# KiCad board main.kicad_pcb (continued)
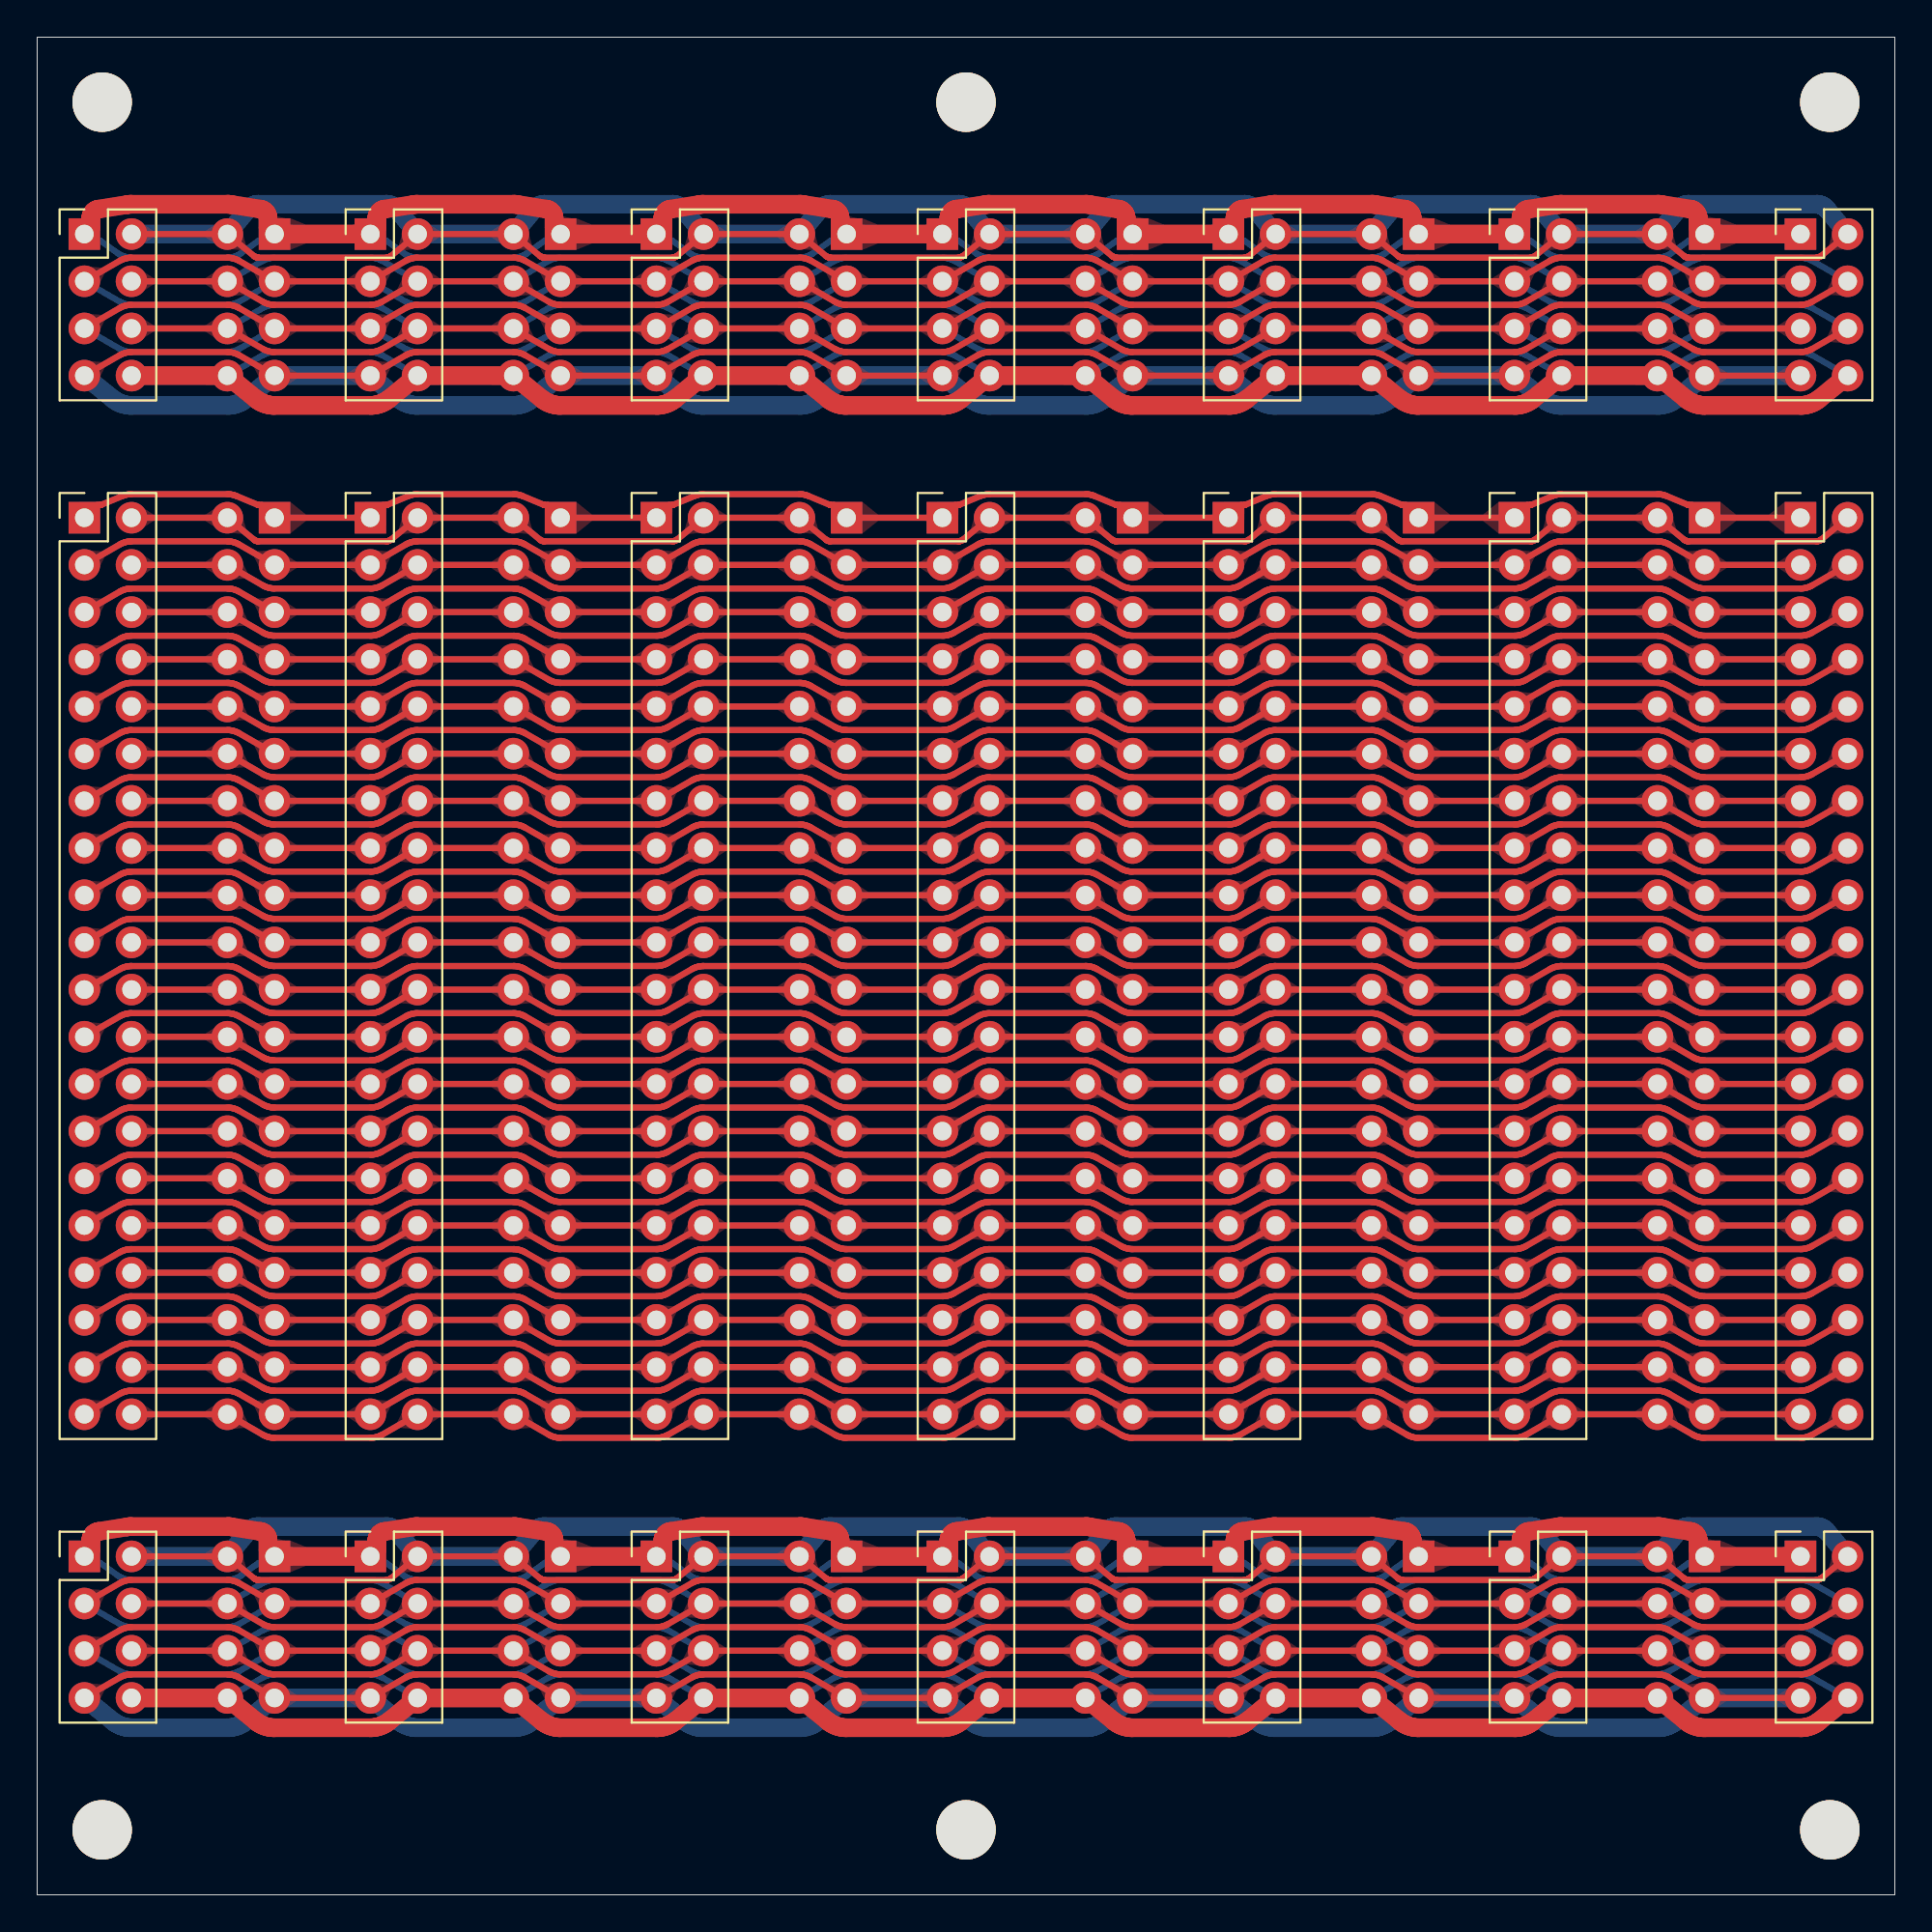
[diagram p0: board, top side]
## Routing (per net, layer and track width the routed paths; a pad name or vN(x,y) marks a point on that pad's centre or on a via; arc(x,y) is an arc through that point) (continued)
~{F_OUT}: length 192.5
  Top w0.33: J29.11 J10.11 87.86,62.53 87.8,62.56 87.75,62.58 87.69,62.61 87.64,62.63 87.58,62.65 87.52,62.66 87.46,62.68 87.4,62.69 87.34,62.69 87.28,62.7 87.22,62.7 82.06,62.7 82,62.7 81.94,62.69 81.88,62.69 81.82,62.68 81.76,62.66 81.71,62.65 81.65,62.63 81.59,62.61 81.54,62.58 81.48,62.56 81.43,62.53 J30.11 J38.11 72.46,62.53 72.41,62.56 72.35,62.58 72.3,62.61 72.24,62.63 72.18,62.65 72.12,62.66 72.07,62.68 72.01,62.69 71.95,62.69 71.89,62.7 71.83,62.7 66.67,62.7 66.61,62.7 66.55,62.69 66.49,62.69 66.43,62.68 66.37,62.66 66.31,62.65 66.25,62.63 66.2,62.61 66.14,62.58 66.09,62.56 66.03,62.53 J25.11 J27.11 57.06,62.53 57.01,62.56 56.96,62.58 56.9,62.61 56.84,62.63 56.79,62.65 56.73,62.66 56.67,62.68 56.61,62.69 56.55,62.69 56.49,62.7 56.43,62.7 51.27,62.7 51.21,62.7 51.15,62.69 51.09,62.69 51.03,62.68 50.97,62.66 50.91,62.65 50.85,62.63 50.8,62.61 50.74,62.58 50.69,62.56 50.64,62.53 J11.11 J28.11 41.67,62.53 41.61,62.56 41.56,62.58 41.5,62.61 41.45,62.63 41.39,62.65 41.33,62.66 41.27,62.68 41.21,62.69 41.15,62.69 41.09,62.7 41.03,62.7 35.87,62.7 35.81,62.7 35.75,62.69 35.69,62.69 35.63,62.68 35.57,62.66 35.52,62.65 35.46,62.63 35.4,62.61 35.35,62.58 35.29,62.56 35.24,62.53 J13.11 J9.11 26.27,62.53 26.22,62.56 26.16,62.58 26.11,62.61 26.05,62.63 25.99,62.65 25.93,62.66 25.88,62.68 25.82,62.69 25.76,62.69 25.7,62.7 25.63,62.7 20.48,62.7 20.42,62.7 20.36,62.69 20.3,62.69 20.24,62.68 20.18,62.66 20.12,62.65 20.06,62.63 20.01,62.61 19.95,62.58 19.9,62.56 19.84,62.53 J12.11 J26.11 10.87,62.53 10.82,62.56 10.77,62.58 10.71,62.61 10.65,62.63 10.6,62.65 10.54,62.66 10.48,62.68 10.42,62.69 10.36,62.69 10.3,62.7 10.24,62.7 5.08,62.7 5.02,62.7 4.96,62.69 4.9,62.69 4.84,62.68 4.78,62.66 4.72,62.65 4.66,62.63 4.61,62.61 4.55,62.58 4.5,62.56 4.45,62.53 J3.11
  Bottom w0.33: J29.11 J10.11 87.86,62.53 87.8,62.56 87.75,62.58 87.69,62.61 87.64,62.63 87.58,62.65 87.52,62.66 87.46,62.68 87.4,62.69 87.34,62.69 87.28,62.7 87.22,62.7 82.06,62.7 82,62.7 81.94,62.69 81.88,62.69 81.82,62.68 81.76,62.66 81.71,62.65 81.65,62.63 81.59,62.61 81.54,62.58 81.48,62.56 81.43,62.53 J30.11 J38.11 72.46,62.53 72.41,62.56 72.35,62.58 72.3,62.61 72.24,62.63 72.18,62.65 72.12,62.66 72.07,62.68 72.01,62.69 71.95,62.69 71.89,62.7 71.83,62.7 66.67,62.7 66.61,62.7 66.55,62.69 66.49,62.69 66.43,62.68 66.37,62.66 66.31,62.65 66.25,62.63 66.2,62.61 66.14,62.58 66.09,62.56 66.03,62.53 J25.11 J27.11 57.06,62.53 57.01,62.56 56.96,62.58 56.9,62.61 56.84,62.63 56.79,62.65 56.73,62.66 56.67,62.68 56.61,62.69 56.55,62.69 56.49,62.7 56.43,62.7 51.27,62.7 51.21,62.7 51.15,62.69 51.09,62.69 51.03,62.68 50.97,62.66 50.91,62.65 50.85,62.63 50.8,62.61 50.74,62.58 50.69,62.56 50.64,62.53 J11.11 J28.11 41.67,62.53 41.61,62.56 41.56,62.58 41.5,62.61 41.45,62.63 41.39,62.65 41.33,62.66 41.27,62.68 41.21,62.69 41.15,62.69 41.09,62.7 41.03,62.7 35.87,62.7 35.81,62.7 35.75,62.69 35.69,62.69 35.63,62.68 35.57,62.66 35.52,62.65 35.46,62.63 35.4,62.61 35.35,62.58 35.29,62.56 35.24,62.53 J13.11 J9.11 26.27,62.53 26.22,62.56 26.16,62.58 26.11,62.61 26.05,62.63 25.99,62.65 25.93,62.66 25.88,62.68 25.82,62.69 25.76,62.69 25.7,62.7 25.63,62.7 20.48,62.7 20.42,62.7 20.36,62.69 20.3,62.69 20.24,62.68 20.18,62.66 20.12,62.65 20.06,62.63 20.01,62.61 19.95,62.58 19.9,62.56 19.84,62.53 J12.11 J26.11 10.87,62.53 10.82,62.56 10.77,62.58 10.71,62.61 10.65,62.63 10.6,62.65 10.54,62.66 10.48,62.68 10.42,62.69 10.36,62.69 10.3,62.7 10.24,62.7 5.08,62.7 5.02,62.7 4.96,62.69 4.9,62.69 4.84,62.68 4.78,62.66 4.72,62.65 4.66,62.63 4.61,62.61 4.55,62.58 4.5,62.56 4.45,62.53 J3.11
~{F_READ}: length 192.5
  Top w0.33: J3.16 J26.16 12.14,55.25 12.2,55.22 12.25,55.2 12.31,55.17 12.36,55.15 12.42,55.13 12.48,55.12 12.54,55.1 12.6,55.09 12.66,55.09 12.72,55.08 12.78,55.08 17.94,55.08 18,55.08 18.06,55.09 18.12,55.09 18.18,55.1 18.24,55.12 18.29,55.13 18.35,55.15 18.41,55.17 18.46,55.2 18.52,55.22 18.57,55.25 J12.16 J9.16 27.54,55.25 27.59,55.22 27.65,55.2 27.7,55.17 27.76,55.15 27.82,55.13 27.88,55.12 27.93,55.1 27.99,55.09 28.05,55.09 28.11,55.08 28.17,55.08 33.33,55.08 33.39,55.08 33.45,55.09 33.51,55.09 33.57,55.1 33.63,55.12 33.69,55.13 33.75,55.15 33.8,55.17 33.86,55.2 33.91,55.22 33.97,55.25 J13.16 J28.16 42.94,55.25 42.99,55.22 43.04,55.2 43.1,55.17 43.16,55.15 43.21,55.13 43.27,55.12 43.33,55.1 43.39,55.09 43.45,55.09 43.51,55.08 43.57,55.08 48.73,55.08 48.79,55.08 48.85,55.09 48.91,55.09 48.97,55.1 49.03,55.12 49.09,55.13 49.15,55.15 49.2,55.17 49.26,55.2 49.31,55.22 49.36,55.25 J11.16 J27.16 58.33,55.25 58.39,55.22 58.44,55.2 58.5,55.17 58.55,55.15 58.61,55.13 58.67,55.12 58.73,55.1 58.79,55.09 58.85,55.09 58.91,55.08 58.97,55.08 64.13,55.08 64.19,55.08 64.25,55.09 64.31,55.09 64.37,55.1 64.43,55.12 64.48,55.13 64.54,55.15 64.6,55.17 64.65,55.2 64.71,55.22 64.76,55.25 J25.16 J38.16 73.73,55.25 73.78,55.22 73.84,55.2 73.89,55.17 73.95,55.15 74.01,55.13 74.07,55.12 74.12,55.1 74.18,55.09 74.24,55.09 74.3,55.08 74.36,55.08 79.52,55.08 79.58,55.08 79.64,55.09 79.7,55.09 79.76,55.1 79.82,55.12 79.88,55.13 79.94,55.15 79.99,55.17 80.05,55.2 80.1,55.22 80.16,55.25 J30.16 J10.16 89.13,55.25 89.18,55.22 89.23,55.2 89.29,55.17 89.35,55.15 89.4,55.13 89.46,55.12 89.52,55.1 89.58,55.09 89.64,55.09 89.7,55.08 89.76,55.08 94.92,55.08 94.98,55.08 95.04,55.09 95.1,55.09 95.16,55.1 95.22,55.12 95.28,55.13 95.34,55.15 95.39,55.17 95.45,55.2 95.5,55.22 95.55,55.25 J29.16
  Bottom w0.33: J3.16 J26.16 12.14,55.25 12.2,55.22 12.25,55.2 12.31,55.17 12.36,55.15 12.42,55.13 12.48,55.12 12.54,55.1 12.6,55.09 12.66,55.09 12.72,55.08 12.78,55.08 17.94,55.08 18,55.08 18.06,55.09 18.12,55.09 18.18,55.1 18.24,55.12 18.29,55.13 18.35,55.15 18.41,55.17 18.46,55.2 18.52,55.22 18.57,55.25 J12.16 J9.16 27.54,55.25 27.59,55.22 27.65,55.2 27.7,55.17 27.76,55.15 27.82,55.13 27.88,55.12 27.93,55.1 27.99,55.09 28.05,55.09 28.11,55.08 28.17,55.08 33.33,55.08 33.39,55.08 33.45,55.09 33.51,55.09 33.57,55.1 33.63,55.12 33.69,55.13 33.75,55.15 33.8,55.17 33.86,55.2 33.91,55.22 33.97,55.25 J13.16 J28.16 42.94,55.25 42.99,55.22 43.04,55.2 43.1,55.17 43.16,55.15 43.21,55.13 43.27,55.12 43.33,55.1 43.39,55.09 43.45,55.09 43.51,55.08 43.57,55.08 48.73,55.08 48.79,55.08 48.85,55.09 48.91,55.09 48.97,55.1 49.03,55.12 49.09,55.13 49.15,55.15 49.2,55.17 49.26,55.2 49.31,55.22 49.36,55.25 J11.16 J27.16 58.33,55.25 58.39,55.22 58.44,55.2 58.5,55.17 58.55,55.15 58.61,55.13 58.67,55.12 58.73,55.1 58.79,55.09 58.85,55.09 58.91,55.08 58.97,55.08 64.13,55.08 64.19,55.08 64.25,55.09 64.31,55.09 64.37,55.1 64.43,55.12 64.48,55.13 64.54,55.15 64.6,55.17 64.65,55.2 64.71,55.22 64.76,55.25 J25.16 J38.16 73.73,55.25 73.78,55.22 73.84,55.2 73.89,55.17 73.95,55.15 74.01,55.13 74.07,55.12 74.12,55.1 74.18,55.09 74.24,55.09 74.3,55.08 74.36,55.08 79.52,55.08 79.58,55.08 79.64,55.09 79.7,55.09 79.76,55.1 79.82,55.12 79.88,55.13 79.94,55.15 79.99,55.17 80.05,55.2 80.1,55.22 80.16,55.25 J30.16 J10.16 89.13,55.25 89.18,55.22 89.23,55.2 89.29,55.17 89.35,55.15 89.4,55.13 89.46,55.12 89.52,55.1 89.58,55.09 89.64,55.09 89.7,55.08 89.76,55.08 94.92,55.08 94.98,55.08 95.04,55.09 95.1,55.09 95.16,55.1 95.22,55.12 95.28,55.13 95.34,55.15 95.39,55.17 95.45,55.2 95.5,55.22 95.55,55.25 J29.16
~{F_SYSRES}: length 194.2
  Top w0.33: J3.1 3.23,74.81 3.39,74.81 3.41,74.82 3.43,74.82 3.45,74.83 4.59,75.3 4.64,75.32 4.7,75.34 4.75,75.36 4.8,75.37 4.86,75.38 4.91,75.39 4.97,75.39 5.02,75.4 5.08,75.4 10.24,75.4 10.29,75.4 10.35,75.39 10.4,75.39 10.46,75.38 10.51,75.37 10.57,75.36 10.62,75.34 10.67,75.32 10.73,75.3 11.86,74.83 11.89,74.82 11.91,74.82 11.93,74.82 12.09,74.81 J26.1 J12.1 18.62,74.81 18.79,74.81 18.81,74.82 18.83,74.82 18.85,74.83 19.99,75.3 20.04,75.32 20.09,75.34 20.15,75.36 20.2,75.37 20.26,75.38 20.31,75.39 20.37,75.39 20.42,75.4 20.48,75.4 25.63,75.4 25.69,75.4 25.75,75.39 25.8,75.39 25.86,75.38 25.91,75.37 25.97,75.36 26.02,75.34 26.07,75.32 26.12,75.3 27.26,74.83 27.28,74.82 27.3,74.82 27.33,74.82 27.49,74.81 J9.1 J13.1 34.02,74.81 34.18,74.81 34.2,74.82 34.23,74.82 34.25,74.83 35.39,75.3 35.44,75.32 35.49,75.34 35.54,75.36 35.6,75.37 35.65,75.38 35.71,75.39 35.76,75.39 35.82,75.4 35.87,75.4 41.03,75.4 41.09,75.4 41.14,75.39 41.2,75.39 41.25,75.38 41.31,75.37 41.36,75.36 41.42,75.34 41.47,75.32 41.52,75.3 42.66,74.83 42.68,74.82 42.7,74.82 42.72,74.82 42.89,74.81 J28.1 J11.1 49.42,74.81 49.58,74.81 49.6,74.82 49.62,74.82 49.64,74.83 50.78,75.3 50.83,75.32 50.89,75.34 50.94,75.36 50.99,75.37 51.05,75.38 51.1,75.39 51.16,75.39 51.21,75.4 51.27,75.4 56.43,75.4 56.48,75.4 56.54,75.39 56.59,75.39 56.65,75.38 56.7,75.37 56.76,75.36 56.81,75.34 56.86,75.32 56.92,75.3 58.05,74.83 58.08,74.82 58.1,74.82 58.12,74.82 58.28,74.81 J27.1 J25.1 64.81,74.81 64.98,74.81 65,74.82 65.02,74.82 65.04,74.83 66.18,75.3 66.23,75.32 66.28,75.34 66.34,75.36 66.39,75.37 66.45,75.38 66.5,75.39 66.56,75.39 66.61,75.4 66.67,75.4 71.83,75.4 71.88,75.4 71.94,75.39 71.99,75.39 72.05,75.38 72.1,75.37 72.16,75.36 72.21,75.34 72.26,75.32 72.31,75.3 73.45,74.83 73.47,74.82 73.49,74.82 73.52,74.82 73.68,74.81 J38.1 J30.1 80.21,74.81 80.37,74.81 80.39,74.82 80.42,74.82 80.44,74.83 81.58,75.3 81.63,75.32 81.68,75.34 81.73,75.36 81.79,75.37 81.84,75.38 81.9,75.39 81.95,75.39 82.01,75.4 82.06,75.4 87.22,75.4 87.28,75.4 87.33,75.39 87.39,75.39 87.44,75.38 87.5,75.37 87.55,75.36 87.61,75.34 87.66,75.32 87.71,75.3 88.85,74.83 88.87,74.82 88.89,74.82 88.91,74.82 89.08,74.81 J10.1 J29.1
  Bottom w0.33: J3.1 3.23,74.81 3.39,74.81 3.41,74.82 3.43,74.82 3.45,74.83 4.59,75.3 4.64,75.32 4.7,75.34 4.75,75.36 4.8,75.37 4.86,75.38 4.91,75.39 4.97,75.39 5.02,75.4 5.08,75.4 10.24,75.4 10.29,75.4 10.35,75.39 10.4,75.39 10.46,75.38 10.51,75.37 10.57,75.36 10.62,75.34 10.67,75.32 10.73,75.3 11.86,74.83 11.89,74.82 11.91,74.82 11.93,74.82 12.09,74.81 J26.1 J12.1 18.62,74.81 18.79,74.81 18.81,74.82 18.83,74.82 18.85,74.83 19.99,75.3 20.04,75.32 20.09,75.34 20.15,75.36 20.2,75.37 20.26,75.38 20.31,75.39 20.37,75.39 20.42,75.4 20.48,75.4 25.63,75.4 25.69,75.4 25.75,75.39 25.8,75.39 25.86,75.38 25.91,75.37 25.97,75.36 26.02,75.34 26.07,75.32 26.12,75.3 27.26,74.83 27.28,74.82 27.3,74.82 27.33,74.82 27.49,74.81 J9.1 J13.1 34.02,74.81 34.18,74.81 34.2,74.82 34.23,74.82 34.25,74.83 35.39,75.3 35.44,75.32 35.49,75.34 35.54,75.36 35.6,75.37 35.65,75.38 35.71,75.39 35.76,75.39 35.82,75.4 35.87,75.4 41.03,75.4 41.09,75.4 41.14,75.39 41.2,75.39 41.25,75.38 41.31,75.37 41.36,75.36 41.42,75.34 41.47,75.32 41.52,75.3 42.66,74.83 42.68,74.82 42.7,74.82 42.72,74.82 42.89,74.81 J28.1 J11.1 49.42,74.81 49.58,74.81 49.6,74.82 49.62,74.82 49.64,74.83 50.78,75.3 50.83,75.32 50.89,75.34 50.94,75.36 50.99,75.37 51.05,75.38 51.1,75.39 51.16,75.39 51.21,75.4 51.27,75.4 56.43,75.4 56.48,75.4 56.54,75.39 56.59,75.39 56.65,75.38 56.7,75.37 56.76,75.36 56.81,75.34 56.86,75.32 56.92,75.3 58.05,74.83 58.08,74.82 58.1,74.82 58.12,74.82 58.28,74.81 J27.1 J25.1 64.81,74.81 64.98,74.81 65,74.82 65.02,74.82 65.04,74.83 66.18,75.3 66.23,75.32 66.28,75.34 66.34,75.36 66.39,75.37 66.45,75.38 66.5,75.39 66.56,75.39 66.61,75.4 66.67,75.4 71.83,75.4 71.88,75.4 71.94,75.39 71.99,75.39 72.05,75.38 72.1,75.37 72.16,75.36 72.21,75.34 72.26,75.32 72.31,75.3 73.45,74.83 73.47,74.82 73.49,74.82 73.52,74.82 73.68,74.81 J38.1 J30.1 80.21,74.81 80.37,74.81 80.39,74.82 80.42,74.82 80.44,74.83 81.58,75.3 81.63,75.32 81.68,75.34 81.73,75.36 81.79,75.37 81.84,75.38 81.9,75.39 81.95,75.39 82.01,75.4 82.06,75.4 87.22,75.4 87.28,75.4 87.33,75.39 87.39,75.39 87.44,75.38 87.5,75.37 87.55,75.36 87.61,75.34 87.66,75.32 87.71,75.3 88.85,74.83 88.87,74.82 88.89,74.82 88.91,74.82 89.08,74.81 J10.1 J29.1
~{F_WAIT}: length 192.5
  Top w0.33: J3.34 J26.34 12.14,32.39 12.2,32.36 12.25,32.34 12.31,32.31 12.36,32.29 12.42,32.27 12.48,32.26 12.54,32.24 12.6,32.23 12.66,32.23 12.72,32.22 12.78,32.22 17.94,32.22 18,32.22 18.06,32.23 18.12,32.23 18.18,32.24 18.24,32.26 18.29,32.27 18.35,32.29 18.41,32.31 18.46,32.34 18.52,32.36 18.57,32.39 J12.34 25.63,33.49 27.54,32.39 27.59,32.36 27.65,32.34 27.7,32.31 27.76,32.29 27.82,32.27 27.88,32.26 27.93,32.24 27.99,32.23 28.05,32.23 28.11,32.22 28.17,32.22 33.33,32.22 33.39,32.22 33.45,32.23 33.51,32.23 33.57,32.24 33.63,32.26 33.69,32.27 33.75,32.29 33.8,32.31 33.86,32.34 33.91,32.36 33.97,32.39 J13.34 J28.34 42.94,32.39 42.99,32.36 43.04,32.34 43.1,32.31 43.16,32.29 43.21,32.27 43.27,32.26 43.33,32.24 43.39,32.23 43.45,32.23 43.51,32.22 43.57,32.22 48.73,32.22 48.79,32.22 48.85,32.23 48.91,32.23 48.97,32.24 49.03,32.26 49.09,32.27 49.15,32.29 49.2,32.31 49.26,32.34 49.31,32.36 49.36,32.39 J11.34 J27.34 58.33,32.39 58.39,32.36 58.44,32.34 58.5,32.31 58.55,32.29 58.61,32.27 58.67,32.26 58.73,32.24 58.79,32.23 58.85,32.23 58.91,32.22 58.97,32.22 64.13,32.22 64.19,32.22 64.25,32.23 64.31,32.23 64.37,32.24 64.43,32.26 64.48,32.27 64.54,32.29 64.6,32.31 64.65,32.34 64.71,32.36 64.76,32.39 J25.34 J38.34 73.73,32.39 73.78,32.36 73.84,32.34 73.89,32.31 73.95,32.29 74.01,32.27 74.07,32.26 74.12,32.24 74.18,32.23 74.24,32.23 74.3,32.22 74.36,32.22 79.52,32.22 79.58,32.22 79.64,32.23 79.7,32.23 79.76,32.24 79.82,32.26 79.88,32.27 79.94,32.29 79.99,32.31 80.05,32.34 80.1,32.36 80.16,32.39 J30.34 J10.34 89.13,32.39 89.18,32.36 89.23,32.34 89.29,32.31 89.35,32.29 89.4,32.27 89.46,32.26 89.52,32.24 89.58,32.23 89.64,32.23 89.7,32.22 89.76,32.22 94.92,32.22 94.98,32.22 95.04,32.23 95.1,32.23 95.16,32.24 95.22,32.26 95.28,32.27 95.34,32.29 95.39,32.31 95.45,32.34 95.5,32.36 95.55,32.39 J29.34
  Bottom w0.33: J3.34 J26.34 12.14,32.39 12.2,32.36 12.25,32.34 12.31,32.31 12.36,32.29 12.42,32.27 12.48,32.26 12.54,32.24 12.6,32.23 12.66,32.23 12.72,32.22 12.78,32.22 17.94,32.22 18,32.22 18.06,32.23 18.12,32.23 18.18,32.24 18.24,32.26 18.29,32.27 18.35,32.29 18.41,32.31 18.46,32.34 18.52,32.36 18.57,32.39 J12.34 25.63,33.49 27.54,32.39 27.59,32.36 27.65,32.34 27.7,32.31 27.76,32.29 27.82,32.27 27.88,32.26 27.93,32.24 27.99,32.23 28.05,32.23 28.11,32.22 28.17,32.22 33.33,32.22 33.39,32.22 33.45,32.23 33.51,32.23 33.57,32.24 33.63,32.26 33.69,32.27 33.75,32.29 33.8,32.31 33.86,32.34 33.91,32.36 33.97,32.39 J13.34 J28.34 42.94,32.39 42.99,32.36 43.04,32.34 43.1,32.31 43.16,32.29 43.21,32.27 43.27,32.26 43.33,32.24 43.39,32.23 43.45,32.23 43.51,32.22 43.57,32.22 48.73,32.22 48.79,32.22 48.85,32.23 48.91,32.23 48.97,32.24 49.03,32.26 49.09,32.27 49.15,32.29 49.2,32.31 49.26,32.34 49.31,32.36 49.36,32.39 J11.34 J27.34 58.33,32.39 58.39,32.36 58.44,32.34 58.5,32.31 58.55,32.29 58.61,32.27 58.67,32.26 58.73,32.24 58.79,32.23 58.85,32.23 58.91,32.22 58.97,32.22 64.13,32.22 64.19,32.22 64.25,32.23 64.31,32.23 64.37,32.24 64.43,32.26 64.48,32.27 64.54,32.29 64.6,32.31 64.65,32.34 64.71,32.36 64.76,32.39 J25.34 J38.34 73.73,32.39 73.78,32.36 73.84,32.34 73.89,32.31 73.95,32.29 74.01,32.27 74.07,32.26 74.12,32.24 74.18,32.23 74.24,32.23 74.3,32.22 74.36,32.22 79.52,32.22 79.58,32.22 79.64,32.23 79.7,32.23 79.76,32.24 79.82,32.26 79.88,32.27 79.94,32.29 79.99,32.31 80.05,32.34 80.1,32.36 80.16,32.39 J30.34 J10.34 89.13,32.39 89.18,32.36 89.23,32.34 89.29,32.31 89.35,32.29 89.4,32.27 89.46,32.26 89.52,32.24 89.58,32.23 89.64,32.23 89.7,32.22 89.76,32.22 94.92,32.22 94.98,32.22 95.04,32.23 95.1,32.23 95.16,32.24 95.22,32.26 95.28,32.27 95.34,32.29 95.39,32.31 95.45,32.34 95.5,32.36 95.55,32.39 J29.34
~{F_WRITE}: length 192.5
  Top w0.33: J29.14 95.55,57.79 95.5,57.76 95.45,57.74 95.39,57.71 95.34,57.69 95.28,57.67 95.22,57.66 95.16,57.64 95.1,57.63 95.04,57.63 94.98,57.62 94.92,57.62 89.76,57.62 89.7,57.62 89.64,57.63 89.58,57.63 89.52,57.64 89.46,57.66 89.4,57.67 89.35,57.69 89.29,57.71 89.23,57.74 89.18,57.76 89.13,57.79 J10.14 J30.14 80.16,57.79 80.1,57.76 80.05,57.74 79.99,57.71 79.94,57.69 79.88,57.67 79.82,57.66 79.76,57.64 79.7,57.63 79.64,57.63 79.58,57.62 79.52,57.62 74.36,57.62 74.3,57.62 74.24,57.63 74.18,57.63 74.12,57.64 74.07,57.66 74.01,57.67 73.95,57.69 73.89,57.71 73.84,57.74 73.78,57.76 73.73,57.79 J38.14 J25.14 64.76,57.79 64.71,57.76 64.65,57.74 64.6,57.71 64.54,57.69 64.48,57.67 64.43,57.66 64.37,57.64 64.31,57.63 64.25,57.63 64.19,57.62 64.13,57.62 58.97,57.62 58.91,57.62 58.85,57.63 58.79,57.63 58.73,57.64 58.67,57.66 58.61,57.67 58.55,57.69 58.5,57.71 58.44,57.74 58.39,57.76 58.33,57.79 J27.14 J11.14 49.36,57.79 49.31,57.76 49.26,57.74 49.2,57.71 49.15,57.69 49.09,57.67 49.03,57.66 48.97,57.64 48.91,57.63 48.85,57.63 48.79,57.62 48.73,57.62 43.57,57.62 43.51,57.62 43.45,57.63 43.39,57.63 43.33,57.64 43.27,57.66 43.21,57.67 43.16,57.69 43.1,57.71 43.04,57.74 42.99,57.76 42.94,57.79 J28.14 J13.14 33.97,57.79 33.91,57.76 33.86,57.74 33.8,57.71 33.75,57.69 33.69,57.67 33.63,57.66 33.57,57.64 33.51,57.63 33.45,57.63 33.39,57.62 33.33,57.62 28.17,57.62 28.11,57.62 28.05,57.63 27.99,57.63 27.93,57.64 27.88,57.66 27.82,57.67 27.76,57.69 27.7,57.71 27.65,57.74 27.59,57.76 27.54,57.79 J9.14 J12.14 18.57,57.79 18.52,57.76 18.46,57.74 18.41,57.71 18.35,57.69 18.29,57.67 18.24,57.66 18.18,57.64 18.12,57.63 18.06,57.63 18,57.62 17.94,57.62 12.78,57.62 12.72,57.62 12.66,57.63 12.6,57.63 12.54,57.64 12.48,57.66 12.42,57.67 12.36,57.69 12.31,57.71 12.25,57.74 12.2,57.76 12.14,57.79 J26.14 J3.14
  Bottom w0.33: J29.14 95.55,57.79 95.5,57.76 95.45,57.74 95.39,57.71 95.34,57.69 95.28,57.67 95.22,57.66 95.16,57.64 95.1,57.63 95.04,57.63 94.98,57.62 94.92,57.62 89.76,57.62 89.7,57.62 89.64,57.63 89.58,57.63 89.52,57.64 89.46,57.66 89.4,57.67 89.35,57.69 89.29,57.71 89.23,57.74 89.18,57.76 89.13,57.79 J10.14 J30.14 80.16,57.79 80.1,57.76 80.05,57.74 79.99,57.71 79.94,57.69 79.88,57.67 79.82,57.66 79.76,57.64 79.7,57.63 79.64,57.63 79.58,57.62 79.52,57.62 74.36,57.62 74.3,57.62 74.24,57.63 74.18,57.63 74.12,57.64 74.07,57.66 74.01,57.67 73.95,57.69 73.89,57.71 73.84,57.74 73.78,57.76 73.73,57.79 J38.14 J25.14 64.76,57.79 64.71,57.76 64.65,57.74 64.6,57.71 64.54,57.69 64.48,57.67 64.43,57.66 64.37,57.64 64.31,57.63 64.25,57.63 64.19,57.62 64.13,57.62 58.97,57.62 58.91,57.62 58.85,57.63 58.79,57.63 58.73,57.64 58.67,57.66 58.61,57.67 58.55,57.69 58.5,57.71 58.44,57.74 58.39,57.76 58.33,57.79 J27.14 J11.14 49.36,57.79 49.31,57.76 49.26,57.74 49.2,57.71 49.15,57.69 49.09,57.67 49.03,57.66 48.97,57.64 48.91,57.63 48.85,57.63 48.79,57.62 48.73,57.62 43.57,57.62 43.51,57.62 43.45,57.63 43.39,57.63 43.33,57.64 43.27,57.66 43.21,57.67 43.16,57.69 43.1,57.71 43.04,57.74 42.99,57.76 42.94,57.79 J28.14 J13.14 33.97,57.79 33.91,57.76 33.86,57.74 33.8,57.71 33.75,57.69 33.69,57.67 33.63,57.66 33.57,57.64 33.51,57.63 33.45,57.63 33.39,57.62 33.33,57.62 28.17,57.62 28.11,57.62 28.05,57.63 27.99,57.63 27.93,57.64 27.88,57.66 27.82,57.67 27.76,57.69 27.7,57.71 27.65,57.74 27.59,57.76 27.54,57.79 J9.14 J12.14 18.57,57.79 18.52,57.76 18.46,57.74 18.41,57.71 18.35,57.69 18.29,57.67 18.24,57.66 18.18,57.64 18.12,57.63 18.06,57.63 18,57.62 17.94,57.62 12.78,57.62 12.72,57.62 12.66,57.63 12.6,57.63 12.54,57.64 12.48,57.66 12.42,57.67 12.36,57.69 12.31,57.71 12.25,57.74 12.2,57.76 12.14,57.79 J26.14 J3.14

Small or netless copper shapes (teardrops, artwork), in the pictures only: 1309 on Top, 1332 on Bottom

## Text on the board
B.Silkscreen: 93 | 46.5 | TRS-512K Backplane rev2 - alnwlsn 2023
